# Altium PCB BACKPMAN3Rev1.0.PcbDoc (part 1 of 4) (continued)
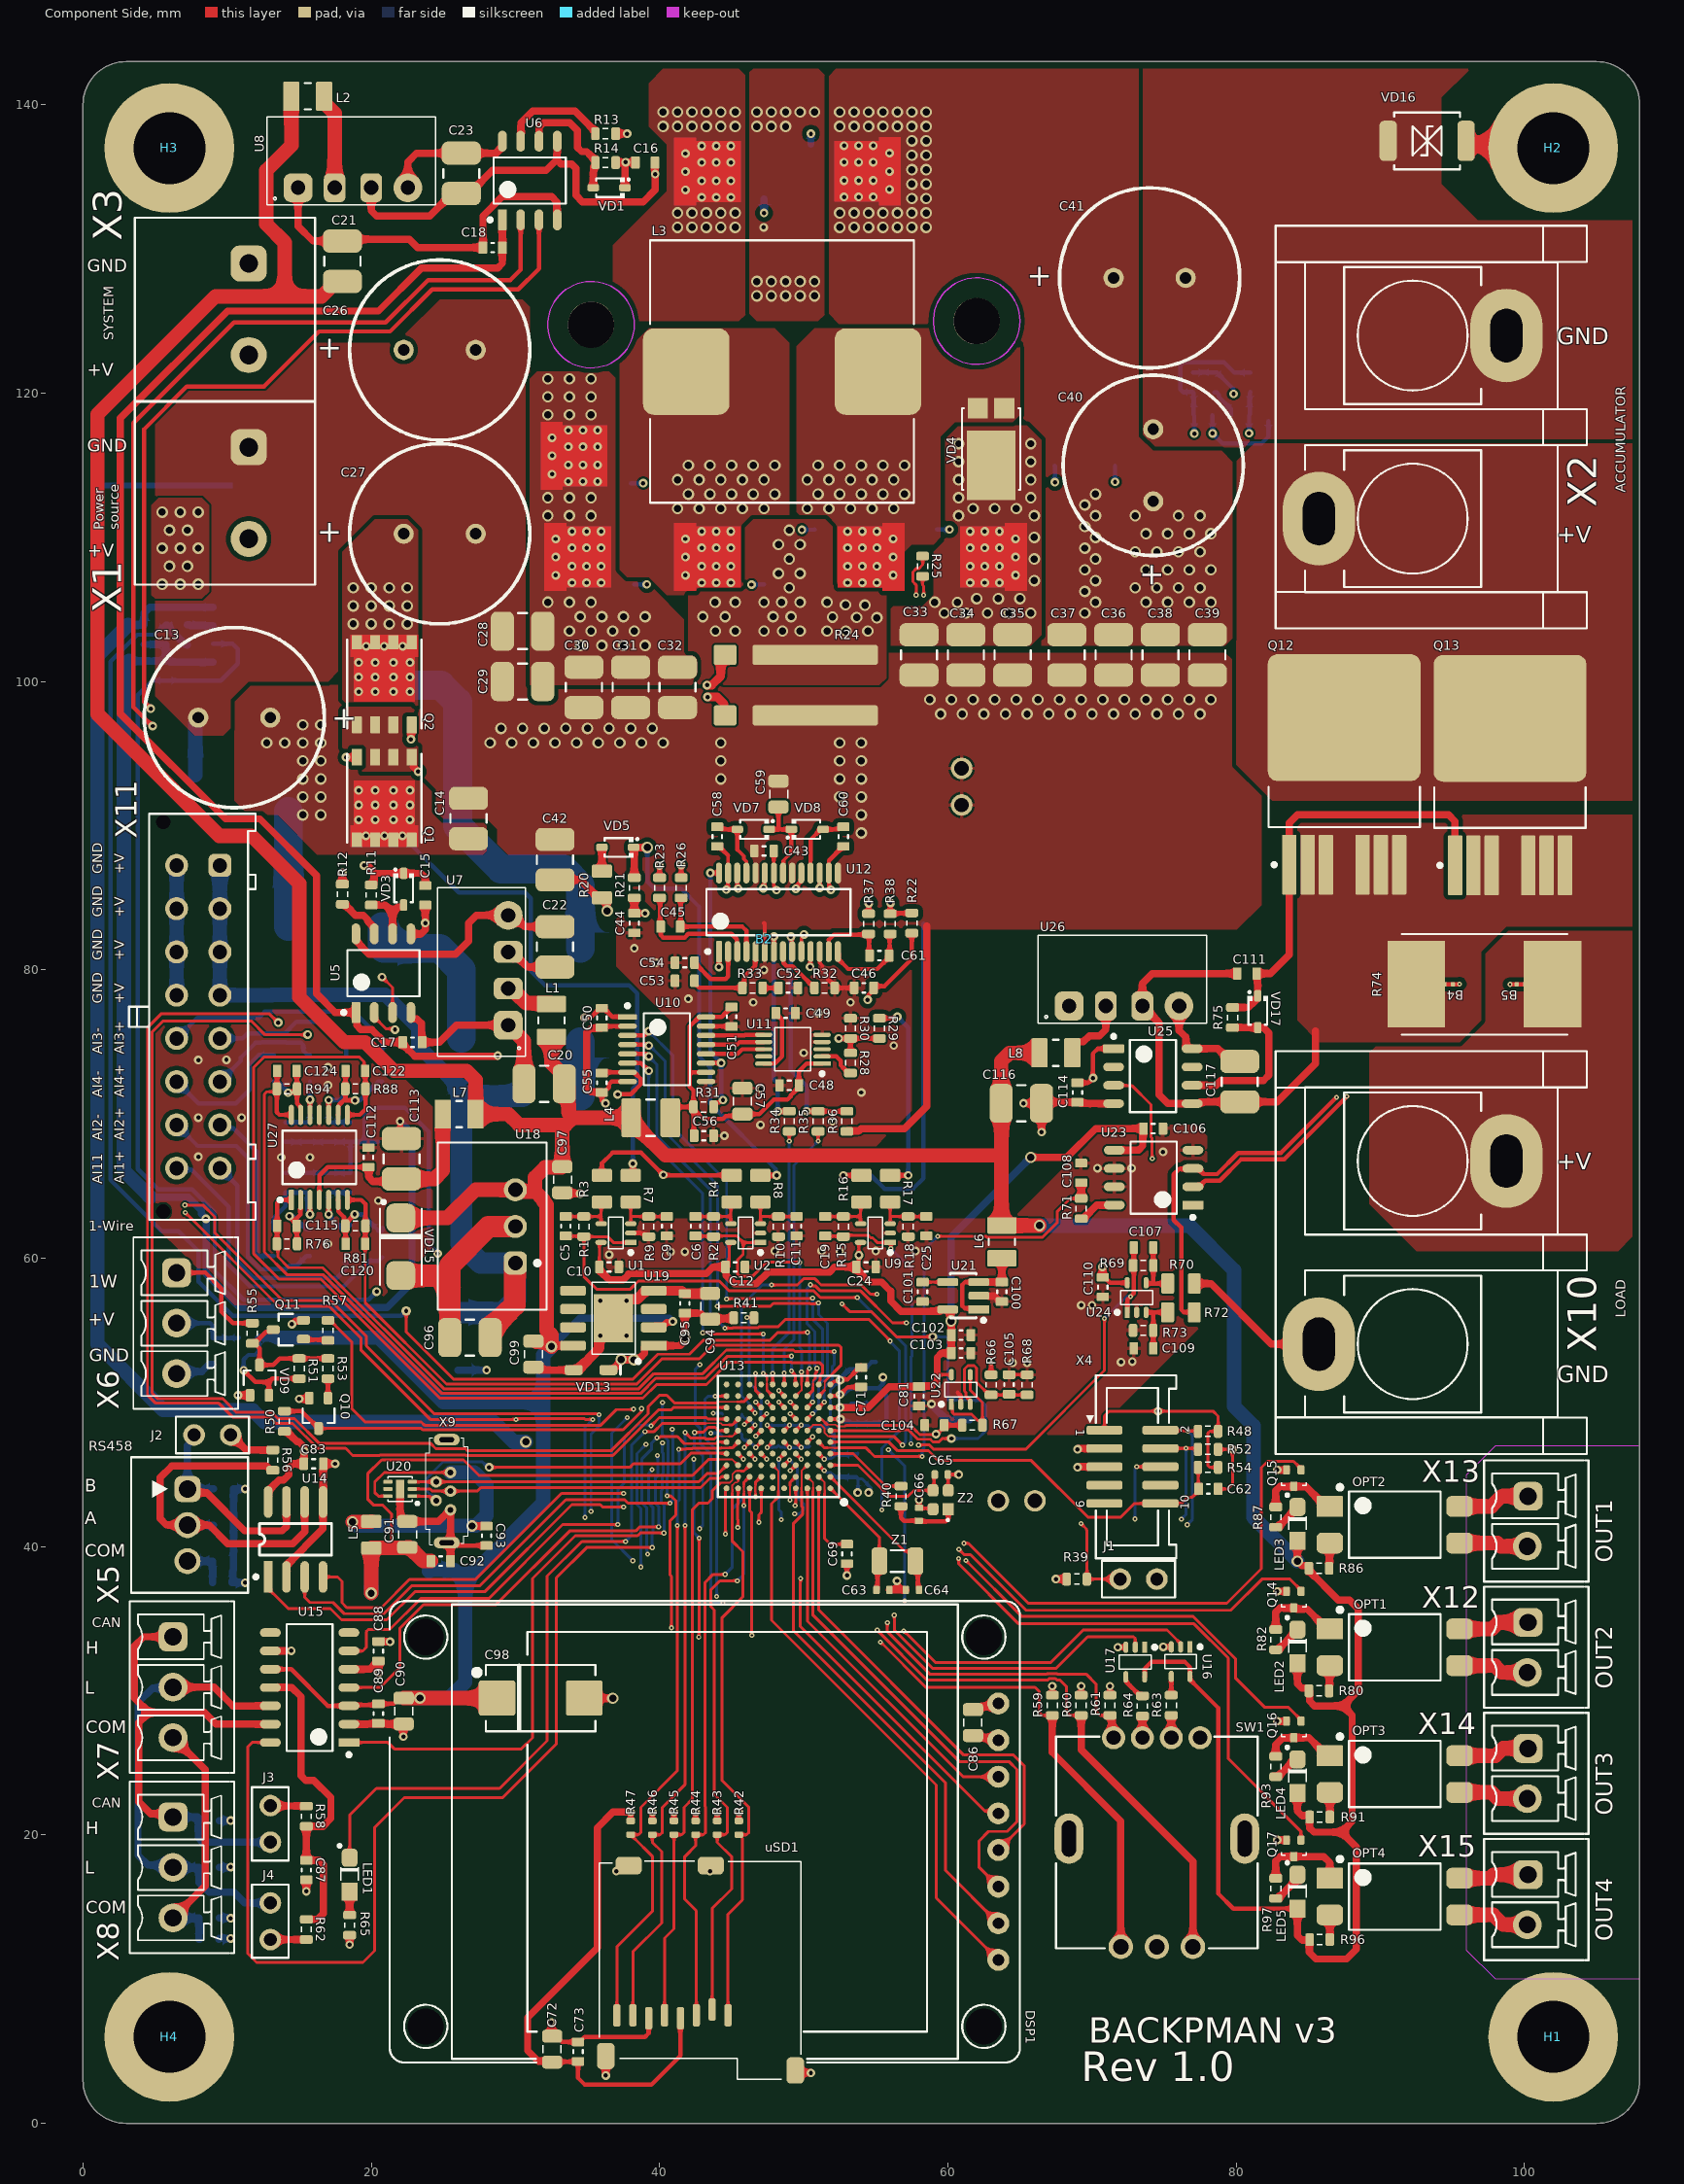
[diagram p0: Component Side view]
## Components (designator, comment, footprint, x,y, rotation, side; value= is the part's Value field where it differs from the comment) (continued)
LED5 "SML-211UTT86" "0805 LED" 84.25,16.075 r90 top value=Red
OPT1 "G3VM-41DY1" "4-SMD Omron" 91,33.02 r0 top
OPT2 "G3VM-41DY1" "4-SMD Omron" 91,41.52 r0 top
OPT3 "G3VM-41DY1" "4-SMD Omron" 91,24.23 r0 top
OPT4 "G3VM-41DY1" "4-SMD Omron" 91,15.73 r0 top
Q1 "NTMFS5C430NT1G" "SO8FL Universal Footprint" 22.81,94.75 r180 top
Q2 "NTMFS5C430NT1G" "SO8FL Universal Footprint" 19,97 r0 top
Q3 "NTMFS5C430NT1G" "SO8FL Universal Footprint" 47.25,137.27 r270 bottom
Q4 "NTMFS5C430NT1G" "SO8FL Universal Footprint" 50.5,133.48 r90 bottom
Q5 "BSC022N04LS6" "SO8FL Universal Footprint" 38,117.56 r270 bottom
Q6 "BSC022N04LS6" "SO8FL Universal Footprint" 38.25,110.54 r270 bottom
Q7 "BSC022N04LS6" "SO8FL Universal Footprint" 59.25,106.73 r90 bottom
Q8 "BSC022N04LS6" "SO8FL Universal Footprint" 47.25,110.54 r270 bottom
Q9 "BSC022N04LS6" "SO8FL Universal Footprint" 50.75,106.73 r90 bottom
Q10 "BSS123W-7-F" SOT323-3 16.35,49.25 r270 top
Q11 "BSS123W-7-F" SOT323-3 14.25,55.05 r180 top
Q12 "IRL40SC228" D2Pak-7pin 87.5,93.55 r90 top
Q13 "IRL40SC228" D2Pak-7pin 99,93.5 r90 top
Q14 "DDTC143XE-7-F" SOT-523F 84,36.325 r270 top
Q15 "DDTC143XE-7-F" SOT-523F 84,44.75 r270 top
Q16 "DDTC143XE-7-F" SOT-523F 84,27.325 r270 top
Q17 "DDTC143XE-7-F" SOT-523F 84,19.075 r270 top
R1 "Resistor" 0603 34.75,62.2 r270 top value="82 k"
R2 "Resistor" 0603 43.75,62.2 r270 top value="82 k"
R3 "RT0805BRE071ML" 0805 36,64.825 r270 top value="1 M"
R4 "RT0805BRE071ML" 0805 45,64.825 r270 top value="1 M"
R5 "Resistor" 0603 78.5,120.75 r270 bottom value=100
R6 "Resistor" 0603 7.25,103.25 r90 bottom value=100
R7 "RT0805BRE071ML" 0805 38,64.825 r270 top value="1 M"
R8 "RT0805BRE071ML" 0805 47,64.825 r270 top value="1 M"
R9 "Resistor" 0603 39.25,62.2 r90 top value="82 k"
R10 "Resistor" 0603 48.25,62.2 r90 top value="82 k"
R11 "Resistor" 0603 20,85.2 r90 top value="220 k"
R12 "Resistor" 0603 18,85.25 r90 top value=100
R13 "Resistor" 0603 36.25,138 r0 top value=100
R14 "Resistor" 0603 36.25,136 r0 top value="220 k"
R15 "Resistor" 0603 52.75,62.2 r270 top value="82 k"
R16 "RT0805BRE071ML" 0805 54,64.825 r270 top value="1 M"
R17 "RT0805BRE071ML" 0805 56,64.825 r270 top value="1 M"
R18 "Resistor" 0603 57.25,62.2 r90 top value="82 k"
R19 "FC4L110R005FER" FC4L110 69.5,110 r0 bottom value="0.005 R"
R20 "Resistor" 0805 36,85.925 r90 top value=10
R21 "Resistor" 0603 38.25,85.7 r90 top value=100
R22 "Resistor" 0603 57.5,83.25 r90 top value=100
R23 "Resistor" 0603 40,85.7 r270 top value="1 k"
R24 "FC4L110R005FER" FC4L110 49.5,99.75 r270 top value="0.005 R"
R25 "RMCF0603FT10K0" 0603 58.25,108 r270 top value="10 K"
R26 "Resistor" 0603 41.5,85.7 r270 top value="1 k"
R27 "NTCG163JX103DTDS" 0603 61.5,49.5 r90 bottom value=10K
R28 "Resistor" 0603 53.25,73.55 r90 top value="17,4 k"
R29 "TNPW0603220KBEEA" 0603 55.25,75.95 r90 top value="220 K"
R30 "Resistor" 0603 53.25,75.95 r270 top value="8,06 k"
R31 "RMCF0603FT10K0" 0603 43.05,70.5 r0 top value="10 K"
R32 "RC0603FR-0746K4L" 0603 51.45,78.75 r180 top value="46.4 K"
R33 "Resistor" 0603 46.45,78.75 r0 top value="27 k"
R34 "Resistor" 0603 49,69.5 r270 top value=100
R35 "Resistor" 0603 51,69.5 r270 top value=100
R36 "RMCF0603FT10K0" 0603 53,69.5 r90 top value="10 K"
R37 "Resistor" 0603 54.5,83.2 r90 top value=100
R38 "Resistor" 0603 56,83.2 r90 top value=100
R39 "RMCF0603FT10K0" 0603 68.95,37.75 r0 top value="10 K"
R40 "CR0603-10W-000T" 0603 56.75,43.5 r90 top value="0 R"
R41 "RMCF0603FT10K0" 0603 45.85,55.875 r0 top value="10 K"
R42 "Resistor" 0402 45.5,20.5 r90 top value="22 k"
R43 "Resistor" 0402 44,20.5 r90 top value="22 k"
R44 "Resistor" 0402 42.5,20.5 r90 top value="22 k"
R45 "Resistor" 0402 41,20.5 r90 top value="22 k"
R46 "Resistor" 0402 39.5,20.5 r90 top value="22 k"
R47 "Resistor" 0402 38,20.5 r90 top value="22 k"
R48 "RMCF0603FT10K0" 0603 78.05,48 r0 top value="10 K"
R49 "Resistor" 0603 11.5,54.5 r0 bottom value=100
R50 "Resistor" 0603 13.975,48.7 r90 top value="4.7 k"
R51 "Resistor" 0603 15,52.35 r90 top value="4.7 k"
R52 "RMCF0603FT10K0" 0603 78.05,46.75 r0 top value="10 K"
R53 "Resistor" 0603 17,52.35 r90 top value="1 k"
R54 "RMCF0603FT10K0" 0603 78.05,45.5 r0 top value="10 K"
R55 "Resistor" 0603 11.75,54.8 r270 top value=100
R56 "Resistor" 0603 13.175,46 r270 top value=120
R57 "Resistor" 0603 17,55 r270 top value="1 k"
R58 "Resistor" 0603 15.5,21.3 r270 top value=60.4
R59 "RMCF0603FT10K0" 0603 67.25,29 r90 top value="10 K"
R60 "RMCF0603FT10K0" 0603 69.25,29 r90 top value="10 K"
R61 "RMCF0603FT10K0" 0603 71.25,29 r90 top value="10 K"
R62 "Resistor" 0603 15.5,13.45 r270 top value=60.4
R63 "Resistor" 0603 75.5,29 r270 top value=120
R64 "Resistor" 0603 73.5,28.95 r270 top value=120
R65 "Resistor" 0603 18.5,13.75 r270 top value=750
R66 "RG1608N-104-W-T1" 0603 63,51.225 r90 top value="100 K"
R67 "Resistor" 0603 61.7,48.425 r0 top value=100
R68 "RG1608N-104-W-T1" 0603 65.5,51.225 r270 top value="100 K"
R69 "Resistor" 0603 73.55,59.5 r180 top value="82 k"
R70 "RT0805BRE071ML" 0805 76.175,58.25 r180 top value="1 M"
R71 "Resistor" 0603 69.25,63.45 r90 top value="1 k"
R72 "RT0805BRE071ML" 0805 76.175,56.25 r180 top value="1 M"
R73 "Resistor" 0603 73.55,55 r0 top value="82 k"
R74 "WSR51L000FEA" WSR52L000FEA 101.96,79 r180 top value=0.001
R75 "Resistor" 0603 79.75,76.7 r90 top value="220 k"
R76 "Resistor" 0603 14.15,61 r180 top value="82 k"
R77 "CPF0805B2M0E" 0805 15.75,61.075 r90 bottom value="2 M"
R78 "CPF0805B2M0E" 0805 13.25,61.075 r90 bottom value="2 M"
R79 "Resistor" 0603 15.55,65.25 r270 bottom value="82 k"
R80 "Resistor" 0603 85.75,30 r180 top value=300
R81 "Resistor" 0603 18.9,62.25 r0 top value="82 k"
R82 "Resistor" 0603 82.75,33.55 r270 top value="1 k"
R83 "CPF0805B2M0E" 0805 20.75,61 r90 bottom value="2 M"
R84 "CPF0805B2M0E" 0805 18.25,61.075 r90 bottom value="2 M"
R85 "Resistor" 0603 17.05,65.25 r270 bottom value="82 k"
R86 "Resistor" 0603 85.75,38.5 r180 top value=300
R87 "Resistor" 0603 82.75,42.05 r270 top value="1 k"
R88 "Resistor" 0603 18.9,71.75 r0 top value="82 k"
R89 "CPF0805B2M0E" 0805 20.75,73.175 r270 bottom value="2 M"
R90 "CPF0805B2M0E" 0805 18.25,73.175 r270 bottom value="2 M"
R91 "Resistor" 0603 85.8,21.25 r180 top value=300
R92 "Resistor" 0603 17.05,68.75 r90 bottom value="82 k"
R93 "Resistor" 0603 82.75,24.75 r270 top value="1 k"
R94 "Resistor" 0603 14.15,71.75 r180 top value="82 k"
R95 "CPF0805B2M0E" 0805 13.25,73.175 r270 bottom value="2 M"
R96 "Resistor" 0603 85.8,12.75 r180 top value=300
R97 "Resistor" 0603 82.75,16.3 r270 top value="1 k"
R98 "CPF0805B2M0E" 0805 15.75,73.175 r270 bottom value="2 M"
R99 "Resistor" 0603 15.55,68.75 r90 bottom value="82 k"
SW1 "PEL12D-4225S-S2024" PEL12D-4225S-S2024 74.5,19.75 r0 top locked
U1 "LMV641MGE/NOPB" "SOT-353 ON Semi" 36.975,61.75 r180 top
U2 "LMV641MGE/NOPB" "SOT-353 ON Semi" 45.975,61.75 r180 top
U3 "TMCS1100A2QDRQ1" "8-SOIC Linear" 11.75,103.25 r180 bottom
U4 "TMCS1100A2QDRQ1" "8-SOIC Linear" 79,115.75 r90 bottom
U5 "ADUM3221ARZ-RL7" "8-SOIC Linear" 20.845,79.775 r90 top
U6 "ADUM3221ARZ-RL7" "8-SOIC Linear" 31,134.75 r90 top
U7 "ROE-0512S" "Recom 4-SIP module" 29.5,76.17 r90 top
U8 "ROE-0512S" "Recom 4-SIP module" 14.92,134.25 r0 top
U9 "LMV641MGE/NOPB" "SOT-353 ON Semi" 54.975,61.75 r180 top
U10 "ADUM7441ARQZ-RL7" "QSOP-16 AD" 40.5,74.5 r0 top
U11 "DAC80501MDGSR" "10-Lead Plastic MSOP Linear" 49.25,74.5 r180 top
U12 "LTC3789EGN#PBF" "28-Lead Plastic SSOP Linear" 48.25,84 r90 top locked
U13 "STM32H753VIH6" TFBGA100 48.25,47.65 r180 top locked
U14 "ADM3485EARZ" SO-8 14.75,40.5 r0 top
U15 "TJA1043T,118" SOT108-1 15.725,30.23 r180 top
U16 "74LVC1G17SE-7" "SOT-353 ON Semi" 76.15,32.025 r270 top
U17 "74LVC1G17SE-7" "SOT-353 ON Semi" 73,32 r270 top
U18 "TSR 1-2450" "TSR 1 Traco Power" 30,59.67 r90 top
U19 "AP7361C-33SP-13" "SOIC-8 EDP" 36.8,55.845 r180 top
U20 "PUSBM5V5X4-TL,115" DFN1616-6 22,44 r180 top
U21 "LDK130M33RY" SOT23-5 61.075,57.4 r90 top
U22 "LMV641MGE/NOPB" "SOT-353 ON Semi" 60.9,50.9 r90 top
U23 "INA240A1D" "8-SOIC Linear" 74.275,65.595 r180 top
U24 "LMV641MGE/NOPB" "SOT-353 ON Semi" 73.1,57.275 r90 top
U25 "ADUM3221ARZ-RL7" "8-SOIC Linear" 74.225,72.635 r0 top
U26 "ROE-0512S" "Recom 4-SIP module" 68.42,77.5 r0 top
U27 "LMV654MTX/NOPB" "14 TSSOP Maxim" 16.4,67 r90 top locked
uSD1 "2908-05WB-MG" 2908-05WB-MG 44.75,7.5 r0 top
VD1 "SD103AWS-TP" SOD323 36.5,134.25 r180 top
VD2 "SMBJ30CA-13-F" "DO-214AA_SMBJ BI" 10.5,93.5 r0 bottom
VD3 "SD103AWS-TP" SOD323 22.25,85.6 r270 top
VD4 "SBRT15U50SP5-13" "PowerDI 5" 63.92,118.95 r180 top
VD5 "SD103AWS-TP" SOD323 37.1,88.5 r180 top
VD6 "SMBJ30CA-13-F" "DO-214AA_SMBJ BI" 6.55,122.75 r0 bottom
VD7 "CMDSH05-45 TR PBFREE" SOD323 46.5,89.75 r180 top
VD8 "CMDSH05-45 TR PBFREE" SOD323 50.25,89.75 r0 top
VD9 "BAT54SWFILMY" SOT323-3 12.25,51.55 r90 top
VD10 "SBRT5A50SA-13" SMA 22,38.3 r0 bottom
VD11 "SBRT5A50SA-13" SMA 32.5,71.25 r180 bottom
VD12 "SBRT5A50SA-13" SMA 26.25,73.25 r270 bottom
VD13 "UCLAMP3301D.TCT" SOD-323 35.25,52.25 r180 top value=3.3V
VD14 "SMAJ30A-13-F" SMA 26,54.25 r90 bottom
VD15 "SMAJ5.0A" SMA 22.05,60.8 r90 top
VD16 "SMBJ30CA-13-F" "DO-214AA_SMBJ BI" 93.25,137.5 r0 top
VD17 "SD103AWS-TP" SOD323 81.5,77.1 r270 top
X1 "1714955" MKDS5/2-6.35 11.5,116.25 r270 top
X2 "0389690002" "Molex 389690002" -943.541,1282.086 r90 top
X3 "1714955" MKDS5/2-6.35 11.5,129 r270 top
X4 "62701020621" SHF-105-01-L-D-SM 70.864,48.08 r270 top
X5 "1881561" 1881561 7.25,44 r180 top locked
X6 "MCV 1.5/3-G-3.5" "mcv1.5-3-g_3.5 green + MC 1,5 3-ST-3,5 - 1840379" 6.5,59 r180 top locked
X7 "MCV 1.5/3-G-3.5" "mcv1.5-3-g_3.5 green + MC 1,5 3-ST-3,5 - 1840379" 6.25,33.75 r180 top locked
X8 "MCV 1.5/3-G-3.5" "mcv1.5-3-g_3.5 green + MC 1,5 3-ST-3,5 - 1840379" 6.25,21.25 r180 top locked
X9 "USB3106-30-0230-A" USB3106-30-0230-A 25.499,45.15 r270 top
X10 "0389690002" "MOLEX 389690002" -943.541,1224.836 r90 top
X11 "0430451627" 0430451627 6.5,66.25 r90 top
X12 "MCV 1,5/2-G-3,5" "mcv1.5-2-g_3.5 Green  + MC 1,5 2-ST-3,5 - 1840366" 100.199,34.775 r180 top
X13 "MCV 1,5/2-G-3,5" "mcv1.5-2-g_3.5 Green  + MC 1,5 2-ST-3,5 - 1840366" 100.199,43.525 r180 top
X14 "MCV 1,5/2-G-3,5" "mcv1.5-2-g_3.5 Green  + MC 1,5 2-ST-3,5 - 1840366" 100.199,26.025 r180 top
X15 "MCV 1,5/2-G-3,5" "mcv1.5-2-g_3.5 Green  + MC 1,5 2-ST-3,5 - 1840366" 100.199,17.275 r180 top
Z1 "ABS07-32.768KHZ-T" ABS7 57.75,39 r180 top value="32.768 kHz"
Z2 "ABM11-16.000MHZ-9-B1U-T" "4-SMD 2.00mm x 1.60mm" 59.5,43.25 r90 top value="16 MHz"

## Footprints (in the part's own frame and the unit in brackets; to place one, negate y for a bottom-side part, rotate by r counter-clockwise, add the part's x,y. Pads: shape width x height; smd on the part's side, far side on the other; paste and mask are expansions set on the pad)
"1.54 inch IPS 240x240" [mil]
  round 60 hole 98.43 unplated mask+4: 0(-181.5,-39.37) 0(-181.5,-1563.78) 0(881.5,-39.37) 0(881.5,-1563.78)
  round 60 hole 31.5: 1(0,0) 2(100,0) 3(200,0) 4(300,0) 5(400,0) 6(500,0) 7(600,0) 8(700,0)
  silkscreen extent -280,-1662 980,59, body extent -280,-1662 980,59, height 337
"4-SMD 2.00mm x 1.60mm" [mm]
  rect 0.85x0.75 smd mask+0.06: 1(-0.65,-0.525)
  rrect50% 0.85x0.75 smd mask+0.06: 2(0.65,-0.525) 3(0.65,0.525) 4(-0.65,0.525)
  silkscreen extent -1.47,-0.57 -1.33,-0.43, body extent -1,-0.8 1,0.8, height 0.6
"4-SMD Omron" [mm] "SOP, 4-Leads, Body 4.58x6.40mm, Pitch 2.54mm, IPC Medium Density"
  rrect10% 1.85x1.45 smd mask+0.05: 1(-4.5,1.27)
  rrect50% 1.85x1.45 smd mask+0.05: 2(-4.5,-1.27) 3(4.5,-1.27) 4(4.5,1.27)
  silkscreen extent -3.95,-2.3 3.17,2.75, body extent -5,-2.3 5,2.3, height 3.8
"8-SOIC Linear" [mm] "SOIC, 8-Leads, Body 4.90x3.90mm, Pitch 1.27mm, IPC Medium Density"
  rrect15% 1.45x0.6 smd mask+0.06: 1(-2.725,1.905)
  oval 1.45x0.6 smd mask+0.06: 2(-2.725,0.635) 3(-2.725,-0.635) 4(-2.725,-1.905) 5(2.725,-1.905) 6(2.725,-0.635) 7(2.725,0.635) 8(2.725,1.905)
  silkscreen extent -2.85,-2.5 1.6,2.88, body extent -3,-2.5 3,2.5, height 1.75
"10-Lead Plastic MSOP Linear" [mm] "TSSOP, 10-Leads, Body 3.0x3.0mm (max), Pitch 0.50mm, IPC Medium Density"
  rect 1.2x0.3 smd mask+0.06: 1(-2.025,1)
  oval 1.2x0.3 smd mask+0.06: 2(-2.025,0.5) 3(-2.025,0) 4(-2.025,-0.5) 5(-2.025,-1) 6(2.025,-1) 7(2.025,-0.5) 8(2.025,0) 9(2.025,0.5) 10(2.025,1)
  silkscreen extent -2.15,-1.5 1.25,1.82, body extent -1.5,-1.5 1.5,1.5, height 1.1
"14 TSSOP Maxim" [mm]
  rrect25% 1.4x0.35 smd mask+0.06: 1(-2.95,1.95)
  oval 1.4x0.35 smd mask+0.06: 2(-2.95,1.3) 3(-2.95,0.65) 4(-2.95,0) 5(-2.95,-0.65) 6(-2.95,-1.3) 7(-2.95,-1.95) 8(2.95,-1.95) 9(2.95,-1.3) 10(2.95,-0.65) 11(2.95,0) 12(2.95,0.65) 13(2.95,1.3) 14(2.95,1.95)
  silkscreen extent -3.07,-2.55 1.85,2.85, body extent -3.2,-2.55 3.2,2.55, height 1.1
"28-Lead Plastic SSOP Linear" [mm] "SOP, 28-Leads, Body 9.89x3.90mm, Pitch 0.64mm, IPC Medium Density"
  rrect25% 1.45x0.42 smd mask+0.06: 1(-2.725,4.127)
  oval 1.45x0.42 smd mask+0.06: 2(-2.725,3.492) 3(-2.725,2.857) 4(-2.725,2.222) 5(-2.725,1.587) 6(-2.725,0.952) 7(-2.725,0.317) 8(-2.725,-0.318) 9(-2.725,-0.953) 10(-2.725,-1.588) 11(-2.725,-2.222) 12(-2.725,-2.857) 13(-2.725,-3.492) 14(-2.725,-4.127) 15(2.725,-4.127) 16(2.725,-3.492) 17(2.725,-2.857) 18(2.725,-2.222) 19(2.725,-1.587) 20(2.725,-0.952) 21(2.725,-0.317) 22(2.725,0.318) 23(2.725,0.953) 24(2.725,1.588) 25(2.725,2.222) 26(2.725,2.857) 27(2.725,3.492) 28(2.725,4.127)
  silkscreen extent -2.85,-5 1.6,5.03, body extent -3,-5 3,5, height 1.75
0402 [mm] "Chip Resistor; Body 1.1 x 0.5 mm (LxW typ)"
  rrect50% 0.45x0.6 smd mask+0.05: 1(-0.475,0) 2(0.475,0)
  body extent -0.5,-0.25 0.51,0.25, height 0.35
"0402 CAP" [mm] "Chip Capacitor; Body 1.0 x 0.5 mm (LxW typ)"
  rrect50% 0.45x0.6 smd mask+0.05: 1(-0.452,0) 2(0.452,0)
  body extent -0.5,-0.25 0.5,0.25, height 0.5
0603 [mm] "Chip Resistor; Body 1.6 x 0.8 mm (LxW typ)"
  rrect50% 0.6x0.9 smd mask+0.06: 1(-0.7,0) 2(0.7,0)
  silkscreen extent -0.18,-0.35 0.18,0.35, body extent -0.79,-0.4 0.81,0.4, height 0.45
"0603 CAP" [mm] "Chip Capacitor; Body 1.6 x 0.8 mm (LxW typ)"
  rrect25% 0.6x0.85 smd mask+0.06: 1(-0.675,0) 2(0.675,0)
  body extent -0.85,-0.45 0.85,0.45, height 0.8
0805 [mm] "Chip Resistor; Body 2 x 1.3 mm (LxW typ)"
  rrect25% 0.9x1.4 smd mask+0.06: 1(-0.925,0) 2(0.925,0)
  body extent -1,-0.62 1,0.63, height 0.6
"0805 LED" [mm] "0805 LED"
  rect 1.25x1.1 smd mask+0.06: 1(-1.175,0)
  rrect50% 1.25x1.1 smd mask+0.06: 2(1.175,0)
  silkscreen extent -0.41,-0.61 2.1,0.8, body extent -1.3,-0.6 1.3,0.6, height 1
1608[0603] [mm] "Chip Capacitor; Body 1.6 x 0.8 mm (LxW typ)"
  rrect25% 0.6x0.85 smd mask+0.06: 1(-0.675,0) 2(0.675,0)
  silkscreen extent -0.1,-0.32 0.1,0.33, body extent -0.85,-0.45 0.85,0.45, height 0.8
2012[0805] [mm] "Chip Capacitor; Body 2.0 x 1.2 mm (LxW typ)"
  rrect50% 0.9x1.4 smd mask+0.07: 1(-0.95,0) 2(0.85,0)
  silkscreen extent -0.33,-0.64 0.23,0.61, body extent -1.05,-0.64 0.95,0.62, height 1.25
2518 [mm] "Chip Inductor, 2-Leads, Body 2.50x1.80mm, IPC Medium Density"
  rrect15% 1.13x2.02 smd mask+0.06: 1(-1.135,0) 2(1.135,0)
  silkscreen extent -0.2,-0.91 0.2,0.91, body extent -1.35,-1 1.35,1, height 1.8
2908-05WB-MG [mm]
  rrect50% 0.5x1.54 smd paste+0.1 mask+0.05: 1(0,0) 2(-1.1,0.4) 3(-2.2,0) 4(-3.3,-0.2) 5(-4.4,0) 6(-5.5,-0.2) 7(-6.6,0) 8(-7.706,-0.016)
  rrect50% 1.22x1.82 smd mask+0.05: 9(-8.48,-2.827) 10(4.67,-3.827)
  rrect50% 1.82x1.22 smd mask+0.05: 11(-1.19,10.382) 12(-6.89,10.382)
  silkscreen extent -8.94,-4.43 5.06,10.68, body extent -8.93,-4.51 5.07,10.74, height 1.85
"2920 (7351 Metric)" [mm] "Chip Resistor, 2-Leads, Body 7.36x5.12mm, IPC Medium Density"
  rect 2.2x5.45 smd: 1(-3.25,0) 2(3.25,0)
  silkscreen extent -1.75,-2.62 1.75,2.63, body extent -3.99,-2.72 3.99,2.72, height 1.15
3225[1210] [mm] "Chip Capacitor; Body 3.2 x 2.5 mm (LxW typ)"
  rrect50% 1.6x2.7 smd: 1(-1.4,0) 2(1.4,0)
  silkscreen extent -0.3,-1.25 0.3,1.25, body extent -1.6,-1.25 1.6,1.25, height 1.15
1881561 [mm] "Printed-circuit board connector - MCV 0,5/ 3-G-2,5 Phoenix"
  rrect50% 1.8x1.8 / inner round 1.8 / far side round 1.8 hole 1.2 mask+0.07: 1(0,0)
  round 1.8 hole 1.2 mask+0.07: 2(0,2.5)
  round 1.8 / inner rrect50% 1.8x1.8 / far side rrect50% 1.8x1.8 hole 1.2 mask+0.07: 3(0,5)
  silkscreen extent -4.2,-2.2 3.9,7.2, body extent -4.2,-2.2 3.9,7.2, height 10.11
0430451627 [mm] "Connector Header Through Hole 16 position 0.118\" (3.00mm)"
  round 0.1 hole 1 unplated mask+0.05: 0(-2.997,0.94) 0(24.003,0.94)
  rrect50% 1.6x1.6 hole 1: 1(21,-3)
  round 1.6 hole 1: 2(18,-3) 3(15,-3) 4(12,-3) 5(9,-3) 6(6,-3) 7(3,-3) 8(0,-3) 9(21,0) 10(18,0) 11(15,0) 12(12,0) 13(9,0) 14(6,0) 15(3,0) 16(0,0)
  silkscreen extent -3.58,-5.47 24.58,3.3, body extent -3.58,-5.47 24.58,3.3, height 9.92
"7443556260   Wurth Elektronik" [mm]
  rrect25% 6x6 smd: 1(-6.65,0) 2(6.65,0)
  silkscreen extent -9.15,-9.1 9.15,9.1, body extent -9.15,-9.1 9.15,9.1, height 8.91
ABS7 [mm]
  rrect50% 1.1x1.9 smd: 1(0,0) 2(2.5,0)
  silkscreen extent 0.77,-0.75 1.73,0.75, body extent -0.35,-0.75 2.85,0.75, height 0.9
D2Pak-7pin [mm] "D2-PAK, 7-Pads, Body 7.93x8.63mm (max), IPC Medium Density"
  rrect15% 4.15x1 smd mask+0.05: 1(-6.25,3.81) 3(-6.25,-3.81) 3(-6.25,-2.54) 3(-6.25,-1.27) 3(-6.25,1.27) 3(-6.25,2.54)
  rrect15% 8.8x10.6 smd paste-2539.97 mask+0.05: 2(3.95,0)
  silkscreen extent -6.37,-5.25 -0.85,5.25, body extent -7.41,-5.28 7.84,5.28, height 4.83
DFN1616-6 [mm] "NXP  DFN1616-6 (SOT1189-1/XSON6)"
  rect 0.65x0.25 smd mask+0.05: 1(-0.85,0.5)
  rrect50% 0.65x0.25 smd mask+0.05: 2(-0.849,0) 3(-0.85,-0.5) 4(0.85,-0.5) 5(0.849,0) 6(0.85,0.5)
  rect 0.6x1.3 smd paste-0.25 mask+0.05: 7(0,0)
  silkscreen extent -1.3,-0.85 0.85,1.1, body extent -0.85,-0.85 0.85,0.85, height 0.5
"DO-214AA_SMBJ BI" [mm]
  rrect50% 1.2x2.794 smd: 1(-2.7,0) 2(2.7,0)
  silkscreen extent -2.28,-1.97 2.28,1.97, body extent -2.29,-2.03 2.29,2.03, height 2
FC4L110 [mm]
  rrect25% 1.4x8.7 smd mask+0.06: 1(-2.1,1.3) 2(2.1,1.3)
  rrect25% 1.4x1.6 smd mask+0.06: 3(-2.1,-4.95) 4(2.1,-4.95)
  body extent -2.6,-5.6 2.6,5.6, height 0.7
HDR1X2V [mm]
  round 1.5 hole 0.9: 1(0,0) 2(2.54,0)
  silkscreen extent -1.27,-1.27 3.81,1.27, body extent -1.27,-1.27 3.81,1.27, height 9
"HOLE_5MM plated" [mm]
  round 9 hole 5 mask+0.05: 0(0,0)
LSQPB3225 [mm] "Chip Inductor, 2-Leads, Body 3.20x2.50mm, IPC Medium Density"
  rrect25% 1.38x2.72 smd mask+0.05: 1(-1.36,0) 2(1.36,0)
  silkscreen extent -0.3,-1.26 0.3,1.26, body extent -1.7,-1.35 1.7,1.35, height 1.7
"mcv1.5-2-g_3.5 Green  + MC 1,5 2-ST-3,5 - 1840366" [mm] "mcv1.5-2-g_3.5"
  rrect50% 2x2 hole 1.2 mask+0.05: 1(-0.051,0.025)
  round 2 hole 1.2 mask+0.05: 2(0,3.5)
  silkscreen extent -4.25,-2.45 3,5.95, body extent -4.85,-2.44 6.25,5.96, height 18.72
"mcv1.5-3-g_3.5 green + MC 1,5 3-ST-3,5 - 1840379" [mm] "mcv1.5-3-g_3.5"
  rrect50% 2x2 hole 1.2 mask+0.05: 1(0,0)
  round 2 hole 1.2 mask+0.05: 2(0,3.5) 3(0,7)
  silkscreen extent -4.25,-2.45 3,9.45, body extent -4.8,-2.45 6.3,9.46, height 18.76
MKDS5/2-6.35 [mm]
  rrect50% 2.5x2.5 hole 1.3 mask+0.05: 1(0,0)
  round 2.5 hole 1.3 mask+0.05: 2(6.35,0)
  silkscreen extent -3.17,-7.89 9.53,4.61, body extent -3.75,-7.9 9.52,4.6, height 21.5
"Molex 389690002" [mm]
  oval 6.5x5 hole 2.2 slot 3.7 at 0 deg: 1(-1170.786,-1029.286) 2(-1158.086,-1042.291)
  silkscreen extent -1178.41,-1047.88 -1150.47,-1026.29, body extent -1178.41,-1047.88 -1150.47,-1026.29, height 22.62
"MOLEX 389690002" [mm]
  oval 6.5x5 hole 2.2 slot 3.7 at 0 deg: 1(-1170.786,-1029.286) 2(-1158.086,-1042.291)
  silkscreen extent -1178.41,-1047.88 -1150.47,-1026.29, body extent -1178.41,-1047.88 -1150.47,-1026.29, height 22.62
"Net tee 0.3 mm" [mm]
  rrect50% 0.3x0.3 smd mask+0.06: 1(-0.3,0) 2(0.3,0)
  Component Side lines w0.3: 0.3,0 -0.3,0
"Net tee W 10 mm" [mm]
  rrect25% 1x10 smd paste-2539.97 mask+0.06: 1(-0.6,0) 2(0.6,0)
  Component Side region: -0.2,4.9 0.2,4.9 0.2,-4.9 -0.2,-4.9
PEL12D-4225S-S2024 [mm]
  round 1.6 hole 1 mask+0.06: 1(3,7) 2(1,7) 3(-1,7) 4(-3,7)
  round 1.7 hole 1.1 mask+0.06: A(-2.5,-7.5) B(2.5,-7.5) C(0,-7.5)
  rrect100% 2x3.5 / inner oval 2x3.5 / far side oval 2x3.5 hole 2.5 slot 1 at 0 deg mask+0.06: M1(-6.1,0) M2(6.1,0)
  silkscreen extent -7,-7.6 7,7.08, body extent -6.99,-7.57 7.06,7.08, height 24.96
"PowerDI 5" [mm] "PowerDI 5"
  rect 1.39x1.4 smd: 1(0,0) 2(1.84,0)
  rect 3.36x4.8 smd: 3(0.92,3.95)
  silkscreen extent -1.11,-0.01 2.95,5.66, body extent -1.09,-0.41 2.96,6.09, height 1.15
"QSOP-16 AD" [mm] "SOP, 16-Leads, Body 4.90x3.91mm, Pitch 0.64mm, IPC Medium Density"
  rrect15% 1.3x0.35 smd mask+0.05: 1(-2.725,2.24)
  oval 1.3x0.35 smd mask+0.05: 2(-2.725,1.6) 3(-2.725,0.96) 4(-2.725,0.32) 5(-2.725,-0.32) 6(-2.725,-0.96) 7(-2.725,-1.6) 8(-2.725,-2.24) 9(2.725,-2.24) 10(2.725,-1.6) 11(2.725,-0.96) 12(2.725,-0.32) 13(2.725,0.32) 14(2.725,0.96) 15(2.725,1.6) 16(2.725,2.24)
  silkscreen extent -2.85,-2.5 1.6,3.14, body extent -3,-2.5 3,2.5, height 1.75
"Recom 4-SIP module" [mm]
  rrect50% 2x2 hole 1 mask+0.05: 1(0,0)
  rrect50% 1.5x2 hole 1 mask+0.05: 2(2.54,0) 3(5.08,0)
  round 2 hole 1 mask+0.05: 4(7.62,0)
  silkscreen extent -2.15,-1.2 9.55,4.9, body extent -2.15,-1.2 9.55,4.9, height 10
SHF-105-01-L-D-SM [mm]
  rrect50% 0.6x2.5 smd mask+0.05: 1(0,0) 2(0,3.886) 3(1.27,0) 4(1.27,3.886) 5(2.54,0) 6(2.54,3.886) 7(3.81,0) 8(3.81,3.886) 9(5.08,0) 10(5.08,3.886)
  silkscreen extent -3.81,-1.25 8.89,4.99, body extent -3.81,-1.1 8.89,4.99, height 5.47
SMA [mm]
  rrect50% 2x2 smd: 1(2,0) 2(-2,0)
  silkscreen extent -2.65,-1.45 3.2,1.45, body extent -2.65,-1.45 2.65,1.45, height 2.55
"SO8FL Universal Footprint" [mm]
  rrect10% 0.7x1.15 smd paste-0.05 mask+0.06: 1(3.81,0) 2(0,0) 2(1.27,0) 2(2.54,0)
  rrect10% 0.7x1 smd paste-0.05 mask+0.06: 3(0,5.725) 3(1.27,5.725) 3(2.54,5.725) 3(3.81,5.725)
  Component Side region: -0.195,1.625 -0.195,4.725 -0.445,4.725 -0.445,6.225 4.255,6.225 4.255,4.725 4.005,4.725 4.005,1.625
  Bottom Layer region: -0.195,1.625 -0.195,4.725 -0.445,4.725 -0.445,6.225 4.255,6.225 4.255,4.725 4.005,4.725 4.005,1.625
  silkscreen extent -0.67,-0.24 4.48,5.91, body extent -0.67,-0.24 4.48,5.91, height 1.14
SO-8 [mm] "Small Outline; 8 Leads; Body Width 3.9 mm; Pitch 1.27 mm"
  rect 0.6x2.2 smd mask+0.05: 1(-1.905,-2.6)
  oval 0.6x2.2 smd mask+0.05: 2(-0.635,-2.6) 3(0.635,-2.6) 4(1.905,-2.6) 5(1.905,2.6) 6(0.635,2.6) 7(-0.635,2.6) 8(-1.905,2.6)
  silkscreen extent -2.88,-2.72 2.5,1.1, body extent -2.51,-3.09 2.49,3.09, height 2.16
SOD323 [mm] "Molded Diode, 2-Leads, Body 1.7x1.3mm, IPC Medium Density"
  rrect50% 0.8x0.5 smd mask+0.06: 1(-1.1,0) 2(1.1,0)
  silkscreen extent -1.41,-0.72 0.9,0.72, body extent -0.9,-0.67 0.9,0.67, height 1.15
SOD-323 [mm]
  rrect50% 1.25x0.7 smd mask+0.05: 1(-1.2,0) 2(1.2,0)
  silkscreen extent -2.02,-0.3 -2.02,0.3, body extent -1.27,-0.73 1.33,0.72, height 1.16
"SOIC-8 EDP" [mm] "SOIC-8 EDP Semtech"
  rect 1.8x0.7 smd mask+0.06: 1(-2.8,1.905)
  rrect50% 1.8x0.7 smd mask+0.06: 2(-2.8,0.635) 3(-2.8,-0.635) 4(-2.8,-1.905) 5(2.8,-1.905) 6(2.8,-0.635) 7(2.8,0.635) 8(2.8,1.905)
  rect 2.71x3.35 smd mask+0.06: 9(0,0)
  silkscreen extent -1.85,-2.5 1.49,3.12, body extent -2,-2.5 2,2.5, height 1
SOT23-5 [mm] "SOT-23/SC-74A; 5 Leads; Body 3.1 x 3 mm, inc. leads (LxW max)"
  rect 0.55x1.45 smd: 1(-0.95,-1.075)
  rrect50% 0.55x1.45 smd: 2(0,-1.075) 3(0.95,-1.075) 4(0.95,1.075) 5(-0.95,1.075)
  silkscreen extent -1.82,-1.53 1.55,0.9, body extent -1.6,-0.9 1.6,0.9, height 1
SOT108-1 [mm] "SOP, 14-Leads, Body 8.65x3.90mm, Pitch 1.27mm, IPC Medium Density"
  rrect15% 1.45x0.6 smd mask+0.05: 1(-2.725,3.81)
  oval 1.45x0.6 smd mask+0.05: 2(-2.725,2.54) 3(-2.725,1.27) 4(-2.725,0) 5(-2.725,-1.27) 6(-2.725,-2.54) 7(-2.725,-3.81) 8(2.725,-3.81) 9(2.725,-2.54) 10(2.725,-1.27) 11(2.725,0) 12(2.725,1.27) 13(2.725,2.54) 14(2.725,3.81)
  silkscreen extent -2.85,-4.4 1.6,4.78, body extent -3,-4.4 3,4.4, height 1.75
SOT323-3 [mm] "SOT23, 3-Leads, Body 2.00x2.10mm, Pitch 0.65mm, IPC Medium Density"
  rrect50% 0.9x0.6 smd mask+0.06: 1(-1.05,0.65) 2(-1.05,-0.65) 3(1.05,0)
  silkscreen extent -0.32,-1.1 0.67,1.1, body extent -1.3,-1.1 1.3,1.1, height 1
"SOT-353 ON Semi" [mm] "SOT23, 5-Leads, Body 2.2x2.2mm (max), Pitch 0.65mm, IPC Medium Density"
  rrect15% 0.8x0.35 smd mask+0.05: 1(-1.025,0.65)
  oval 0.8x0.35 smd mask+0.05: 2(-1.025,0) 3(-1.025,-0.65) 4(1.025,-0.65) 5(1.025,0.65)
  silkscreen extent -1.15,-1.1 0.5,1.47, body extent -0.67,-1.1 0.67,1.1, height 1.1
SOT-523F [mm] "SOT23, 3-Leads, Body 1.7x1.7mm (max), Pitch 0.50mm, IPC Medium Density"
  rrect50% 0.66x0.5 smd mask+0.05: 1(-0.575,0.5) 2(-0.575,-0.5) 3(0.575,0)
  silkscreen extent 0.29,-0.85 0.49,0.85, body extent -0.49,-0.85 0.49,0.85, height 0.78
"T495 D" [mm] "Molded Capacitor, 2-Leads, Body 7.30x4.30mm, IPC Medium Density"
  rrect15% 2.55x2.45 smd: 1(-3.025,0) 2(3.025,0)
  silkscreen extent -4.62,-2.3 3.8,2.3, body extent -4.02,-2.3 4.02,2.3, height 3.1
TFBGA100 [mm]
  round 0.406 smd paste+0 mask+0.05: A1(-3.6,3.6) A2(-2.8,3.6) A3(-2,3.6) A4(-1.2,3.6) A5(-0.4,3.6) A6(0.4,3.6) A7(1.2,3.6) A8(2,3.6) A9(2.8,3.6) A10(3.6,3.6) B1(-3.6,2.8) B2(-2.8,2.8) B3(-2,2.8) B4(-1.2,2.8) B5(-0.4,2.8) B6(0.4,2.8) B7(1.2,2.8) B8(2,2.8) B9(2.8,2.8) B10(3.6,2.8) C1(-3.6,2) C2(-2.8,2) C3(-2,2) C4(-1.2,2) C5(-0.4,2) C6(0.4,2) C7(1.2,2) C8(2,2) C9(2.8,2) C10(3.6,2) D1(-3.6,1.2) D2(-2.8,1.2) D3(-2,1.2) D4(-1.2,1.2) D5(-0.4,1.2) D6(0.4,1.2) D7(1.2,1.2) D8(2,1.2) D9(2.8,1.2) D10(3.6,1.2) E1(-3.6,0.4) E2(-2.8,0.4) E3(-2,0.4) E4(-1.2,0.4) E5(-0.4,0.4) E6(0.4,0.4) E7(1.2,0.4) E8(2,0.4) E9(2.8,0.4) E10(3.6,0.4) F1(-3.6,-0.4) F2(-2.8,-0.4) F3(-2,-0.4) F4(-1.2,-0.4) F5(-0.4,-0.4) F6(0.4,-0.4) F7(1.2,-0.4) F8(2,-0.4) F9(2.8,-0.4) F10(3.6,-0.4) G1(-3.6,-1.2) G2(-2.8,-1.2) G3(-2,-1.2) G4(-1.2,-1.2) G5(-0.4,-1.2) G6(0.4,-1.2) G7(1.2,-1.2) G8(2,-1.2) G9(2.8,-1.2) G10(3.6,-1.2) H1(-3.6,-2) H2(-2.8,-2) H3(-2,-2) H4(-1.2,-2) H5(-0.4,-2) H6(0.4,-2) H7(1.2,-2) H8(2,-2) H9(2.8,-2) H10(3.6,-2) J1(-3.6,-2.8) J2(-2.8,-2.8) J3(-2,-2.8) J4(-1.2,-2.8) J5(-0.4,-2.8) J6(0.4,-2.8) J7(1.2,-2.8) J8(2,-2.8) J9(2.8,-2.8) J10(3.6,-2.8) K1(-3.6,-3.6) K2(-2.8,-3.6) K3(-2,-3.6) K4(-1.2,-3.6) K5(-0.4,-3.6) K6(0.4,-3.6) K7(1.2,-3.6) K8(2,-3.6) K9(2.8,-3.6) K10(3.6,-3.6)
  silkscreen extent -4.7,-4.2 4.2,4.72, body extent -4.08,-4.08 4.08,4.08, height 0.5
"Through Hole 12.5/20/5" [mm]
  round 1.4 hole 0.8: 1(0,0) 2(-5,0)
  silkscreen extent -8.75,-6.25 3.75,6.25, body extent -8.76,-6.25 3.75,6.25, height 0.75
"TSR 1 Traco Power" [mm]
  rrect50% 1.6x1.6 hole 1: 1(0,0)
  round 1.6 hole 1: 2(2.54,0) 3(5.08,0)
  silkscreen extent -3.23,-2.17 8.37,5.39, body extent -3.23,-2.17 8.37,5.39, height 10.17
USB3106-30-0230-A [mm]
  oval 0.8x1.8 hole 0.35 slot 1 at 90 deg mask+0.05: 0(-2.275,-0.26) 0(4.875,-0.26)
  round 0.8 hole 0.4 mask+0.05: 1(0,0) 2(0.65,-0.999) 3(1.3,0) 4(1.95,-0.999) 5(2.6,0)
  silkscreen extent -2.4,-1.73 5,1.22, body extent -2.68,-1.71 5.28,1.22, height 5.62
WSR52L000FEA [mm]
  rect 4x6 smd: 1(0,0) 2(9.46,0)
  silkscreen extent -1.03,-3.5 10.49,3.5, body extent -1.25,-3.5 10.75,3.5, height 2.41

## Part data
B1: "Net tie width 10 mm"
C1 C2 C10 C12 C24 C43 C44 C46 C47 C48 C73 C83 C101 C103 C105 C106 C110 C113: "0.1 µF ±10% 50V Ceramic Capacitor X7R 0603 (1608 Metric), -55°C ~ 125°C", Manufacturer="Walsin Technology Corporation", PartNum=1292-1643-1-ND, Tolerance=+-10%, Voltage=50V, Distributor=Digi-Key, PartName=0603B104K500CT, Price="0.0062 Euro"
C3 C4 C7 C8 C15 C16 C104 C108 C111 C119: library part CC0603JRX7R9BB102, "1000pF, ±5%, 50V, X7R, 0603 (1608 Metric), -55°C ~ 125°C, -, General Purpose", Manufacturer=Yageo, Operating Temperature="-55°C ~ 125°C", Package / Case="0603 (1608 Metric)", PartNum=311-3361-1-ND, Temperature Coefficient=X7R, Tolerance=±5%, Voltage - Rated=50V, Distributor=Digi-Key, Features=-, Part Number=CC0603JRX7R9BB102, PartName=CC0603JRX7R9BB102, Price=0.01920
C5 C6 C9 C11: "1000 pF ±1% 25V Ceramic Capacitor C0G, NP0 0603 (1608 Metric), -55°C ~ 125°C", Manufacturer="AVX Corporation", PartNum=478-7896-1-ND, Tolerance=±1%, Voltage="25 V", Distributor=DigiKey, PartName=06033A102FAT2A, Price=0.2$
C13 C26 C27 C40 C41: "470.0uF, 50V, Aluminium Electrolytic Capacitors, Diam. 12.5mm, Lead sp. 5 mm, Length 22mm, 2.26 mA, 22 mOhms, 5000 Hour, -40°C...105°C", Manufacturer="Panasonic Electronic Components", PartNum=P12400-ND, Tolerance=+-20%, Voltage="50 V", Distributor=Digi-Key, PartName=EEU-FM1H471, Price=0.52$
C14 C20 C21 C22 C23 C28 C29 C30 C31 C32 C33 C34 C35 C36 C37 C38 C39 C42 C96 C112 C116 C117: "10 µF ±10%, 50V, Ceramic Capacitor X7R, 1210 (3225 Metric), -55°C ~ 125°C", Manufacturer="CAL-CHIP ELECTRONICS, INC.", PartNum=2571-GMC32X7R106K50NTTR-ND, Tolerance=±10%, Voltage=50V, Distributor=Digi-Key, PartName=GMC32X7R106K50NT
C17 C18 C50 C51 C55 C56 C62 C75 C76 C77 C78 C79 C84 C85 C87 C88 C89 C92 C93 C95 C114: library part 0603B104K500CT, "0.1 µF ±10% 50V Ceramic Capacitor X7R 0603 (1608 Metric), -55°C ~ 125°C", Manufacturer="Walsin Technology Corporation", PartNum=1292-1643-1-ND, Tolerance=+-10%, Voltage=50V, Distributor=Digi-Key, PartName=0603B104K500CT, Price="0.0062 Euro"